# KiCad board v10.kicad_pcb (continued)
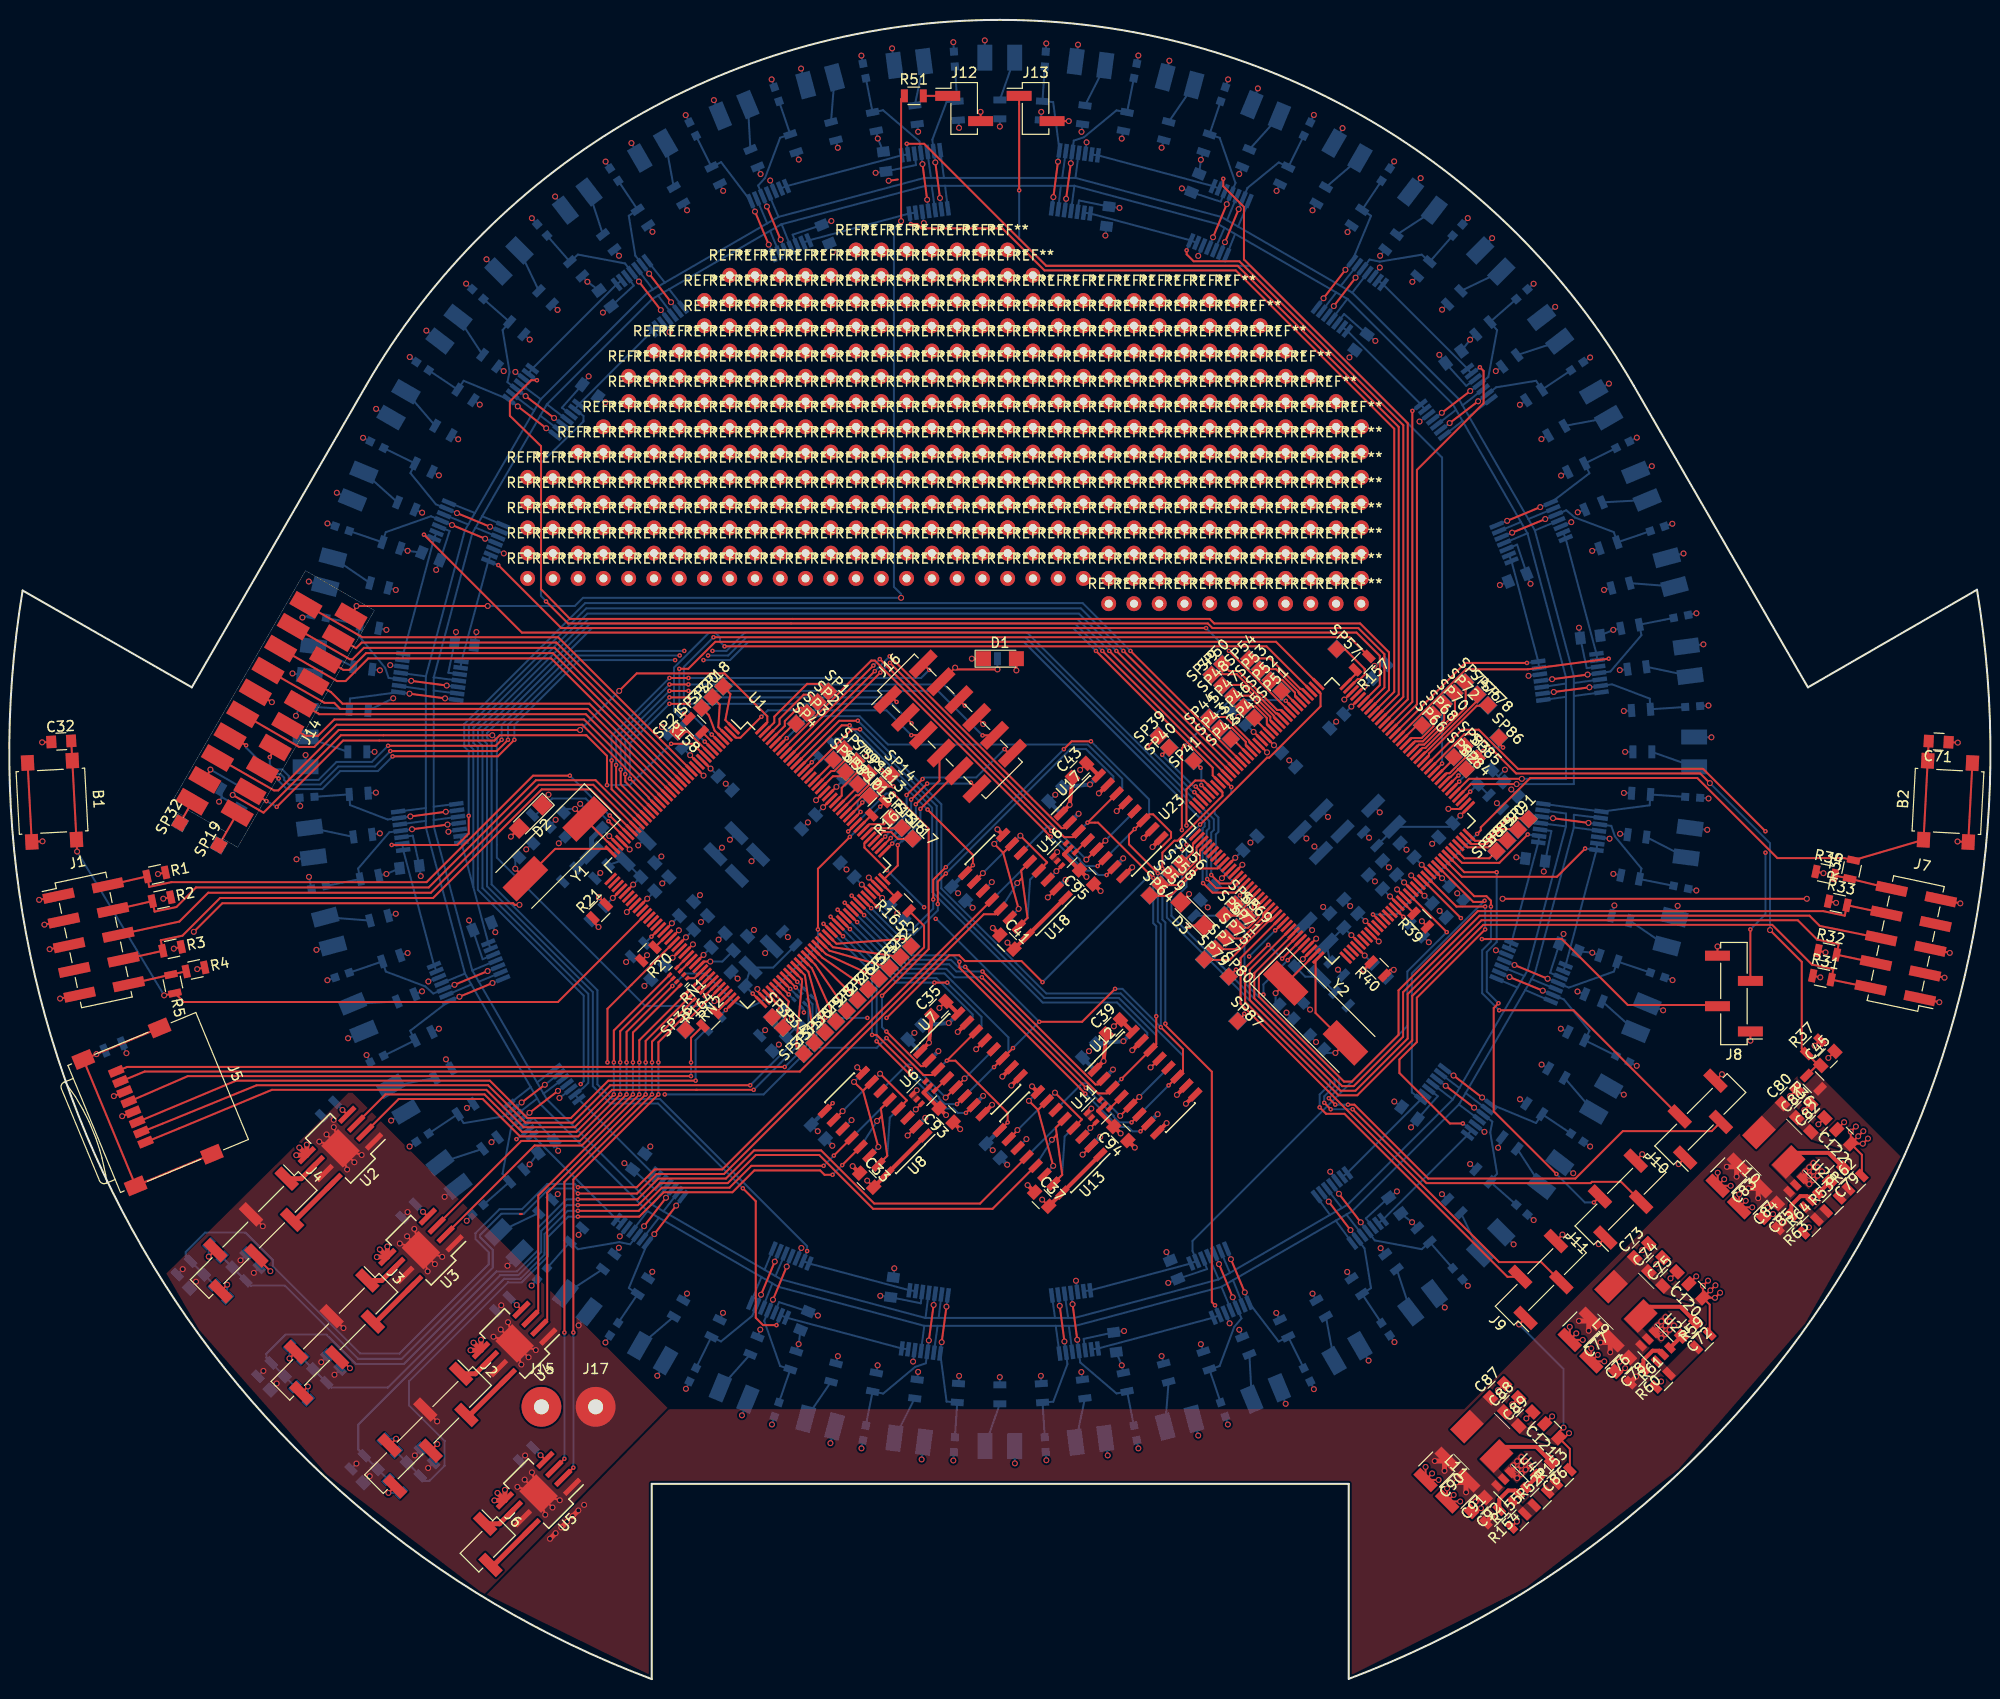
[diagram p0: board, top side]
## Nets (continued)
/Sensor Controller/Linesensor 10/Photo3: Q39.2 R115.1 U43.5 U43.10
/Sensor Controller/Linesensor 10/Photo4: Q40.2 R116.1 U43.7 U43.8
/Sensor Controller/Linesensor 11/Photo1: Q41.2 R119.1 U44.6 U44.9
/Sensor Controller/Linesensor 11/Photo2: Q42.2 R120.1 U44.4 U44.11
/Sensor Controller/Linesensor 11/Photo3: Q43.2 R121.1 U45.5 U45.10
/Sensor Controller/Linesensor 11/Photo4: Q44.2 R122.1 U45.7 U45.8
/Sensor Controller/Linesensor 12/Photo1: Q45.2 R125.1 U46.6 U46.9
/Sensor Controller/Linesensor 12/Photo2: Q46.2 R126.1 U46.4 U46.11
/Sensor Controller/Linesensor 12/Photo3: Q47.2 R127.1 U47.5 U47.10
/Sensor Controller/Linesensor 12/Photo4: Q48.2 R128.1 U47.7 U47.8
/Sensor Controller/RESET: B2.1 C71.2 R35.2 U23.47
/Sensor Controller/Trig1: J8.2 U23.59
/Sensor Controller/Trig2: J10.2 U23.64
/Sensor Controller/Trig3: J11.2 U23.66
/Sensor Controller/Trig4: J9.2 U23.116
/Sensor Controller/VREF_black: U21.5 U21.7 U22.9 U22.11 U23.76 U24.5 U24.7 U25.9 U25.11 U26.5 U26.7 U29.9 U29.11 U30.5 U30.7 U31.9 U31.11 U32.5 U32.7 U33.9 U33.11 U34.5 U34.7 U35.9 U35.11 U36.5 U36.7 U37.9 U37.11 U38.5 U38.7 U39.9 U39.11 U40.5 U40.7 U41.9 U41.11 U42.5 U42.7 U43.9 U43.11 U44.5 U44.7 U45.9 U45.11 U46.5 U46.7 U47.9 U47.11
/Sensor Controller/VREF_white: U21.8 U21.10 U22.4 U22.6 U23.77 U24.8 U24.10 U25.4 U25.6 U26.8 U26.10 U29.4 U29.6 U30.8 U30.10 U31.4 U31.6 U32.8 U32.10 U33.4 U33.6 U34.8 U34.10 U35.4 U35.6 U36.8 U36.10 U37.4 U37.6 U38.8 U38.10 U39.4 U39.6 U40.8 U40.10 U41.4 U41.6 U42.8 U42.10 U43.4 U43.6 U44.8 U44.10 U45.4 U45.6 U46.8 U46.10 U47.4 U47.6
/SPI0_CLK: J16.11 RN4.6
/SPI0_MISO: J16.9 RN4.8
/SPI0_MOSI: J16.7 RN4.7
/SPI0_SS0: J16.12 RN4.5
/SPI1_CLK: RN3.8 U23.110
/SPI1_MISO: R157.2 U23.108
/SPI1_MOSI: R158.2 U23.109
/SPI1_SS0: R159.2 U23.111
Net-(C5-Pad1): C5.1 C6.1 L1.1 U1.34
Net-(C9-Pad2): C9.2 U1.35 Y1.1
Net-(C11-Pad1): C11.1 L2.1 U1.75
Net-(C12-Pad2): C12.2 U1.36 Y1.2
Net-(C13-Pad1): C13.1 R21.1 U1.40
Net-(C45-Pad1): C45.1 R36.2 R37.1 U23.84
Net-(C46-Pad1): C46.1 C47.1 L5.1 U23.34
Net-(C49-Pad1): C49.1 L6.2 U23.75
Net-(C50-Pad2): C50.2 U23.35 Y2.1
Net-(C51-Pad2): C51.2 U23.36 Y2.2
Net-(C52-Pad1): C52.1 R40.1 U23.40
Net-(C72-Pad1): C72.1 L9.1 U27.2
Net-(C72-Pad2): C72.2 U27.6
Net-(C79-Pad1): C79.1 L10.1 U28.2
Net-(C79-Pad2): C79.2 U28.6
Net-(C86-Pad1): C86.1 L11.1 U48.2
Net-(C86-Pad2): C86.2 U48.6
Net-(D1-Pad2): D1.2 R29.1
Net-(D2-Pad2): D2.2 R30.1
Net-(D3-Pad2): D3.2 R42.1
Net-(D4-Pad2): D4.2 R43.2
Net-(D5-Pad2): D5.2 R129.2
Net-(D6-Pad2): D6.2 R44.2
Net-(D7-Pad2): D7.2 R130.2
Net-(D8-Pad2): D8.2 R49.2
Net-(D9-Pad2): D9.2 R131.2
Net-(D18-Pad2): D18.2 R50.2
Net-(D19-Pad2): D19.2 R132.2
Net-(D20-Pad2): D20.2 R69.2
Net-(D21-Pad2): D21.2 R133.2
Net-(D22-Pad2): D22.2 R70.2
Net-(D23-Pad2): D23.2 R134.2
Net-(D24-Pad2): D24.2 R75.2
Net-(D25-Pad2): D25.2 R135.2
Net-(D26-Pad2): D26.2 R76.2
Net-(D27-Pad2): D27.2 R136.2
Net-(D28-Pad2): D28.2 R81.2
Net-(D29-Pad2): D29.2 R137.2
Net-(D30-Pad2): D30.2 R82.2
Net-(D31-Pad2): D31.2 R138.2
Net-(D32-Pad2): D32.2 R87.2
Net-(D33-Pad2): D33.2 R139.2
Net-(D34-Pad2): D34.2 R88.2
Net-(D35-Pad2): D35.2 R140.2
Net-(D36-Pad2): D36.2 R93.2
Net-(D37-Pad2): D37.2 R141.2
Net-(D38-Pad2): D38.2 R94.2
Net-(D39-Pad2): D39.2 R142.2
Net-(D40-Pad2): D40.2 R99.2
Net-(D41-Pad2): D41.2 R143.2
Net-(D42-Pad2): D42.2 R100.2
Net-(D43-Pad2): D43.2 R144.2
Net-(D44-Pad2): D44.2 R105.2
Net-(D45-Pad2): D45.2 R145.2
Net-(D46-Pad2): D46.2 R106.2
Net-(D47-Pad2): D47.2 R146.2
Net-(D48-Pad2): D48.2 R111.2
Net-(D49-Pad2): D49.2 R147.2
Net-(D50-Pad2): D50.2 R112.2
Net-(D51-Pad2): D51.2 R148.2
Net-(D52-Pad2): D52.2 R117.2
Net-(D53-Pad2): D53.2 R149.2
Net-(D54-Pad2): D54.2 R118.2
Net-(D55-Pad2): D55.2 R150.2
Net-(D56-Pad2): D56.2 R123.2
Net-(D57-Pad2): D57.2 R151.2
Net-(D58-Pad2): D58.2 R124.2
Net-(D59-Pad2): D59.2 R152.2
Net-(J1-Pad7): J1.7
Net-(J1-Pad10): J1.10 R4.2 R5.1
Net-(J2-Pad1): J2.1 U4.6
Net-(J2-Pad2): J2.2 U4.8
Net-(J2-Pad5): J2.5 R7.1
Net-(J2-Pad6): J2.6 R9.1
Net-(J3-Pad1): J3.1 U3.6
Net-(J3-Pad2): J3.2 U3.8
Net-(J3-Pad5): J3.5 R11.1
Net-(J3-Pad6): J3.6 R13.1
Net-(J4-Pad1): J4.1 U2.6
Net-(J4-Pad2): J4.2 U2.8
Net-(J4-Pad5): J4.5 R15.1
Net-(J4-Pad6): J4.6 R17.1
Net-(J5-Pad1): J5.1 RN3.6
Net-(J5-Pad2): J5.2 RN3.7
Net-(J5-Pad3): J5.3 R163.1
Net-(J5-Pad5): J5.5 R164.1
Net-(J5-Pad7): J5.7 R165.1
Net-(J5-Pad8): J5.8 RN3.5
Net-(J5-Pad9): J5.9 R19.1
Net-(J6-Pad1): J6.1 U5.6
Net-(J6-Pad2): J6.2 U5.8
Net-(J7-Pad7): J7.7
Net-(J7-Pad10): J7.10 R34.2 R35.1
Net-(J12-Pad1): J12.1 R51.2
Net-(J14-Pad19): J14.19 SP19.1
Net-(J14-Pad20): J14.20 SP32.1
Net-(R18-Pad1): R18.1 U1.51
Net-(R20-Pad1): R20.1 U1.53
Net-(R22-Pad1): R22.1 U2.4
Net-(R23-Pad1): R23.1 U3.4
Net-(R24-Pad1): R24.1 U4.4
Net-(R28-Pad1): R28.1 U5.4
Net-(R38-Pad1): R38.1 U23.51
Net-(R39-Pad1): R39.1 U23.53
Net-(R53-Pad1): R53.1 R64.2 U28.4
Net-(R53-Pad2): R53.2 R62.1
Net-(R54-Pad1): R54.1 U1.132
Net-(R59-Pad1): R59.1 R61.2 U27.4
Net-(R60-Pad1): R60.1 U27.5
Net-(R63-Pad1): R63.1 U28.5
Net-(R153-Pad1): R52.2 R153.1
Net-(R154-Pad1): R154.1 U48.5
Net-(R155-Pad2): R52.1 R155.2 U48.4
Net-(R157-Pad1): R157.1 U1.5
Net-(R158-Pad1): R158.1 U1.6
Net-(R159-Pad1): R159.1 U1.7
Net-(R163-Pad2): R163.2 U1.72
Net-(R164-Pad2): R164.2 U1.71
Net-(R165-Pad2): R165.2 U1.107
Net-(R167-Pad1): R167.1 U3.3
Net-(RN1-Pad2): RN1.2
Net-(RN1-Pad5): RN1.5 U2.3
Net-(RN1-Pad6): RN1.6 U2.2
Net-(RN1-Pad7): RN1.7
Net-(RN1-Pad8): RN1.8 U3.2
Net-(RN2-Pad5): RN2.5 U4.3
Net-(RN2-Pad6): RN2.6 U4.2
Net-(RN2-Pad7): RN2.7 U5.3
Net-(RN2-Pad8): RN2.8 U5.2
Net-(RN3-Pad1): RN3.1 U1.78
Net-(RN3-Pad2): RN3.2 U1.79
Net-(RN3-Pad3): RN3.3 U1.80
Net-(RN3-Pad4): RN3.4 U1.81
Net-(RN4-Pad1): RN4.1 U1.108
Net-(RN4-Pad2): RN4.2 U1.109
Net-(RN4-Pad3): RN4.3 U1.110
Net-(RN4-Pad4): RN4.4 U1.111
Net-(SP1-Pad1): SP1.1 U1.143
Net-(SP2-Pad1): SP2.1 U1.142
Net-(SP3-Pad1): SP3.1 U1.141
Net-(SP4-Pad1): SP4.1 U1.140
Net-(SP6-Pad1): SP6.1 U1.129
Net-(SP7-Pad1): SP7.1 U1.128
Net-(SP8-Pad1): SP8.1 U1.127
Net-(SP9-Pad1): SP9.1 U1.123
Net-(SP10-Pad1): SP10.1 U1.122
Net-(SP11-Pad1): SP11.1 U1.121
Net-(SP12-Pad1): SP12.1 U1.120
Net-(SP13-Pad1): SP13.1 U1.119
Net-(SP14-Pad1): SP14.1 U1.118
Net-(SP15-Pad1): SP15.1 U1.115
Net-(SP16-Pad1): SP16.1 U1.114
Net-(SP17-Pad1): SP17.1 U1.112
Net-(SP18-Pad1): SP18.1 U1.1
Net-(SP20-Pad1): SP20.1 U1.3
Net-(SP21-Pad1): SP21.1 U1.8
Net-(SP22-Pad1): SP22.1 U1.92
Net-(SP23-Pad1): SP23.1 U1.91
Net-(SP24-Pad1): SP24.1 U1.90
Net-(SP25-Pad1): SP25.1 U1.89
Net-(SP26-Pad1): SP26.1 U1.88
Net-(SP27-Pad1): SP27.1 U1.87
Net-(SP28-Pad1): SP28.1 U1.86
Net-(SP29-Pad1): SP29.1 U1.85
Net-(SP30-Pad1): SP30.1 U1.84
Net-(SP31-Pad1): SP31.1 U1.83
Net-(SP33-Pad1): SP33.1 U1.82
Net-(SP34-Pad1): SP34.1 U1.77
Net-(SP35-Pad1): SP35.1 U1.76
Net-(SP36-Pad1): SP36.1 U1.68
Net-(SP37-Pad1): SP37.1 U1.4
Net-(SP39-Pad1): SP39.1 U23.142
Net-(SP40-Pad1): SP40.1 U23.141
Net-(SP41-Pad1): SP41.1 U23.140
Net-(SP42-Pad1): SP42.1 U23.129
Net-(SP43-Pad1): SP43.1 U23.128
Net-(SP44-Pad1): SP44.1 U23.127
Net-(SP45-Pad1): SP45.1 U23.123
Net-(SP46-Pad1): SP46.1 U23.122
Net-(SP47-Pad1): SP47.1 U23.121
Net-(SP48-Pad1): SP48.1 U23.120
Net-(SP49-Pad1): SP49.1 U23.119
Net-(SP50-Pad1): SP50.1 U23.118
Net-(SP51-Pad1): SP51.1 U23.115
Net-(SP52-Pad1): SP52.1 U23.114
Net-(SP53-Pad1): SP53.1 U23.113
Net-(SP54-Pad1): SP54.1 U23.112
Net-(SP56-Pad1): SP56.1 U23.2
Net-(SP57-Pad1): SP57.1 U23.107
Net-(SP58-Pad1): SP58.1 U23.3
Net-(SP59-Pad1): SP59.1 U23.4
Net-(SP64-Pad1): SP64.1 U23.9
Net-(SP65-Pad1): SP65.1 U23.17
Net-(SP66-Pad1): SP66.1 U23.92
Net-(SP67-Pad1): SP67.1 U23.18
Net-(SP68-Pad1): SP68.1 U23.91
Net-(SP69-Pad1): SP69.1 U23.19
Net-(SP70-Pad1): SP70.1 U23.90
Net-(SP71-Pad1): SP71.1 U23.20
Net-(SP72-Pad1): SP72.1 U23.89
Net-(SP74-Pad1): SP74.1 U23.88
Net-(SP75-Pad1): SP75.1 U23.22
Net-(SP76-Pad1): SP76.1 U23.87
Net-(SP77-Pad1): SP77.1 U23.23
Net-(SP78-Pad1): SP78.1 U23.86
Net-(SP79-Pad1): SP79.1 U23.24
Net-(SP80-Pad1): SP80.1 U23.26
Net-(SP82-Pad1): SP82.1 U23.82
Net-(SP83-Pad1): SP83.1 U23.81
Net-(SP84-Pad1): SP84.1 U23.80
Net-(SP85-Pad1): SP85.1 U23.79
Net-(SP86-Pad1): SP86.1 U23.78
Net-(SP87-Pad1): SP87.1 U23.32
Net-(SP88-Pad1): SP88.1 U23.68
Net-(SP89-Pad1): SP89.1 U23.70
Net-(SP90-Pad1): SP90.1 U23.71
Net-(SP91-Pad1): SP91.1 U23.72
Net-(U1-Pad37): U1.37
Net-(U1-Pad38): U1.38
Net-(U1-Pad39): U1.39
Net-(U1-Pad42): U1.42
Net-(U1-Pad43): U1.43
Net-(U1-Pad46): U1.46
Net-(U1-Pad48): U1.48
Net-(U1-Pad49): U1.49
Net-(U1-Pad50): U1.50
Net-(U1-Pad69): U1.69
Net-(U1-Pad130): U1.130
Net-(U6-Pad3): U6.3 U9.6
Net-(U6-Pad4): U6.4 U7.4
Net-(U6-Pad6): U6.6
Net-(U7-Pad12): U7.12
Net-(U8-Pad3): U8.3
Net-(U8-Pad6): U8.6
Net-(U8-Pad11): U8.11
Net-(U8-Pad14): U8.14
Net-(U10-Pad4): U7.13 U10.4
Net-(U10-Pad12): U10.12
Net-(U10-Pad13): U10.13
Net-(U11-Pad3): U11.3 U14.6
Net-(U11-Pad4): U11.4 U12.4
Net-(U11-Pad6): U11.6
Net-(U12-Pad12): U12.12
Net-(U12-Pad13): U12.13 U15.4
Net-(U13-Pad3): U13.3
Net-(U13-Pad6): U13.6
Net-(U13-Pad11): U13.11
Net-(U13-Pad14): U13.14
Net-(U15-Pad12): U15.12
Net-(U15-Pad13): U15.13
Net-(U16-Pad3): U16.3 U19.6
Net-(U16-Pad4): U16.4 U17.4
Net-(U16-Pad6): U16.6
Net-(U17-Pad12): U17.12
Net-(U17-Pad13): U17.13 U20.4
Net-(U18-Pad3): U18.3
Net-(U18-Pad6): U18.6
Net-(U18-Pad11): U18.11
Net-(U18-Pad14): U18.14
Net-(U20-Pad12): U20.12
Net-(U20-Pad13): U20.13
Net-(U23-Pad1): U23.1
Net-(U23-Pad5): U23.5
Net-(U23-Pad6): U23.6
Net-(U23-Pad7): U23.7
Net-(U23-Pad8): U23.8
Net-(U23-Pad21): U23.21
Net-(U23-Pad27): U23.27
Net-(U23-Pad37): U23.37
Net-(U23-Pad38): U23.38
Net-(U23-Pad39): U23.39
Net-(U23-Pad42): U23.42
Net-(U23-Pad43): U23.43
Net-(U23-Pad46): U23.46
Net-(U23-Pad48): U23.48
Net-(U23-Pad49): U23.49
Net-(U23-Pad50): U23.50
Net-(U23-Pad69): U23.69
Net-(U23-Pad130): U23.130
Net-(U23-Pad143): U23.143
Net-(U23-Pad144): U23.144

Pads without a net: REF** 1; REF**#2 1; REF**#3 1; REF**#4 1; REF**#5 1; REF**#6 1; REF**#7 1; REF**#8 1; REF**#9 1; REF**#10 1; REF**#11 1; REF**#12 1; REF**#13 1; REF**#14 1; REF**#15 1; REF**#16 1; REF**#17 1; REF**#18 1; REF**#19 1; REF**#20 1; REF**#21 1; REF**#22 1; REF**#23 1; REF**#24 1; REF**#25 1; REF**#26 1; REF**#27 1; REF**#28 1; REF**#29 1; REF**#30 1; REF**#31 1; REF**#32 1; REF**#33 1; REF**#34 1; REF**#35 1; REF**#36 1; REF**#37 1; REF**#38 1; REF**#39 1; REF**#40 1; REF**#41 1; REF**#42 1; REF**#43 1; REF**#44 1; REF**#45 1; REF**#46 1; REF**#47 1; REF**#48 1; REF**#49 1; REF**#50 1; REF**#51 1; REF**#52 1; REF**#53 1; REF**#54 1; REF**#55 1; REF**#56 1; REF**#57 1; REF**#58 1; REF**#59 1; REF**#60 1; REF**#61 1; REF**#62 1; REF**#63 1; REF**#64 1; REF**#65 1; REF**#66 1; REF**#67 1; REF**#68 1; REF**#69 1; REF**#70 1; REF**#71 1; REF**#72 1; REF**#73 1; REF**#74 1; REF**#75 1; REF**#76 1; REF**#77 1; REF**#78 1; REF**#79 1; REF**#80 1; REF**#81 1; REF**#82 1; REF**#83 1; REF**#84 1; REF**#85 1; REF**#86 1; REF**#87 1; REF**#88 1; REF**#89 1; REF**#90 1; REF**#91 1; REF**#92 1; REF**#93 1; REF**#94 1; REF**#95 1; REF**#96 1; REF**#97 1; REF**#98 1; REF**#99 1; REF**#100 1; REF**#101 1; REF**#102 1; REF**#103 1; REF**#104 1; REF**#105 1; REF**#106 1; REF**#107 1; REF**#108 1; REF**#109 1; REF**#110 1; REF**#111 1; REF**#112 1; REF**#113 1; REF**#114 1; REF**#115 1; REF**#116 1; REF**#117 1; REF**#118 1; REF**#119 1; REF**#120 1; REF**#121 1; REF**#122 1; REF**#123 1; REF**#124 1; REF**#125 1; REF**#126 1; REF**#127 1; REF**#128 1; REF**#129 1; REF**#130 1; REF**#131 1; REF**#132 1; REF**#133 1; REF**#134 1; REF**#135 1; REF**#136 1; REF**#137 1; REF**#138 1; REF**#139 1; REF**#140 1; REF**#141 1; REF**#142 1; REF**#143 1; REF**#144 1; REF**#145 1; REF**#146 1; REF**#147 1; REF**#148 1; REF**#149 1; REF**#150 1; REF**#151 1; REF**#152 1; REF**#153 1; REF**#154 1; REF**#155 1; REF**#156 1; REF**#157 1; REF**#158 1; REF**#159 1; REF**#160 1; REF**#161 1; REF**#162 1; REF**#163 1; REF**#164 1; REF**#165 1; REF**#166 1; REF**#167 1; REF**#168 1; REF**#169 1; REF**#170 1; REF**#171 1; REF**#172 1; REF**#173 1; REF**#174 1; REF**#175 1; REF**#176 1; REF**#177 1; REF**#178 1; REF**#179 1; REF**#180 1; REF**#181 1; REF**#182 1; REF**#183 1; REF**#184 1; REF**#185 1; REF**#186 1; REF**#187 1; REF**#188 1; REF**#189 1; REF**#190 1; REF**#191 1; REF**#192 1; REF**#193 1; REF**#194 1; REF**#195 1; REF**#196 1; REF**#197 1; REF**#198 1; REF**#199 1; REF**#200 1; REF**#201 1; REF**#202 1; REF**#203 1; REF**#204 1; REF**#205 1; REF**#206 1; REF**#207 1; REF**#208 1; REF**#209 1; REF**#210 1; REF**#211 1; REF**#212 1; REF**#213 1; REF**#214 1; REF**#215 1; REF**#216 1; REF**#217 1; REF**#218 1; REF**#219 1; REF**#220 1; REF**#221 1; REF**#222 1; REF**#223 1; REF**#224 1; REF**#225 1; REF**#226 1; REF**#227 1; REF**#228 1; REF**#229 1; REF**#230 1; REF**#231 1; REF**#232 1; REF**#233 1; REF**#234 1; REF**#235 1; REF**#236 1; REF**#237 1; REF**#238 1; REF**#239 1; REF**#240 1; REF**#241 1; REF**#242 1; REF**#243 1; REF**#244 1; REF**#245 1; REF**#246 1; REF**#247 1; REF**#248 1; REF**#249 1; REF**#250 1; REF**#251 1; REF**#252 1; REF**#253 1; REF**#254 1; REF**#255 1; REF**#256 1; REF**#257 1; REF**#258 1; REF**#259 1; REF**#260 1; REF**#261 1; REF**#262 1; REF**#263 1; REF**#264 1; REF**#265 1; REF**#266 1; REF**#267 1; REF**#268 1; REF**#269 1; REF**#270 1; REF**#271 1; REF**#272 1; REF**#273 1; REF**#274 1; REF**#275 1; REF**#276 1; REF**#277 1; REF**#278 1; REF**#279 1; REF**#280 1; REF**#281 1; REF**#282 1; REF**#283 1; REF**#284 1; REF**#285 1; REF**#286 1; REF**#287 1; REF**#288 1; REF**#289 1; REF**#290 1; REF**#291 1; REF**#292 1; REF**#293 1; REF**#294 1; REF**#295 1; REF**#296 1; REF**#297 1; REF**#298 1; REF**#299 1; REF**#300 1; REF**#301 1; REF**#302 1; REF**#303 1; REF**#304 1; REF**#305 1; REF**#306 1; REF**#307 1; REF**#308 1; REF**#309 1; REF**#310 1; REF**#311 1; REF**#312 1; REF**#313 1; REF**#314 1; REF**#315 1; REF**#316 1; REF**#317 1; REF**#318 1; REF**#319 1; REF**#320 1; REF**#321 1; REF**#322 1; REF**#323 1; REF**#324 1; REF**#325 1; REF**#326 1; REF**#327 1; REF**#328 1; REF**#329 1; REF**#330 1; REF**#331 1; REF**#332 1; REF**#333 1; REF**#334 1; REF**#335 1; REF**#336 1; REF**#337 1; REF**#338 1; REF**#339 1; REF**#340 1; REF**#341 1; REF**#342 1; REF**#343 1; REF**#344 1; REF**#345 1; REF**#346 1; REF**#347 1; REF**#348 1; REF**#349 1; REF**#350 1; REF**#351 1; REF**#352 1; REF**#353 1; REF**#354 1; REF**#355 1; REF**#356 1; REF**#357 1; REF**#358 1; REF**#359 1; REF**#360 1; REF**#361 1; REF**#362 1; REF**#363 1; REF**#364 1; REF**#365 1; REF**#366 1; REF**#367 1; REF**#368 1; REF**#369 1; REF**#370 1; REF**#371 1; REF**#372 1; REF**#373 1; REF**#374 1; REF**#375 1; REF**#376 1; REF**#377 1; REF**#378 1; REF**#379 1; REF**#380 1; REF**#381 1; REF**#382 1; REF**#383 1; REF**#384 1; REF**#385 1; REF**#386 1; REF**#387 1; REF**#388 1; REF**#389 1; REF**#390 1; REF**#391 1; REF**#392 1; REF**#393 1; REF**#394 1; REF**#395 1

## Via types
v1: diameter 0.6, hole 0.4, Top to Bottom, 791 vias
v2: diameter 0.45, hole 0.2, Top to Bottom, 285 vias

## Routing (per net, layer and track width the routed paths; a pad name or vN(x,y) marks a point on that pad's centre or on a via; arc(x,y) is an arc through that point)
+3V3: length 194.8
  Top w0.2: v1(70.47,72.15) 69.83,72.15 U1.62 ; C32.1 v1(3.29,94.19) ; C71.1 v1(195.89,94.16) ; R59.2 170.95,37.65 C120.1 ; J1.1 v1(2.99,78.35) ; R1.1 v1(14.94,80.95) ; R2.1 v1(15.47,78.47) ; R3.1 v1(16.53,73.45) ; R4.1 v1(18.88,71.39) ; J5.4 v1(11.34,56.6) ; J7.1 v1(194.03,68.06) ; R34.1 v1(182.38,81.03) ; R33.1 v1(183.65,78.05) ; R32.1 v1(182.59,73.07) ; R31.1 v1(182.06,70.56) ; v1(93.5,67.48) 94.16,68.13 C35.2 94.16,68.14 ; v1(111.04,65.64) 111.7,66.3 C39.2 ; v1(107.65,91.42) 108.3,92.07 C43.2 ; v1(100.34,74.05) 100.99,73.4 C41.2 ; v1(86.24,50.12) 86.9,49.46 C33.2 ; v1(103.83,48.21) 104.49,47.55 C37.2 ; v1(64.11,72.79) 63.56,72.24 R20.2 ; v1(142.01,76.2) 142.56,75.65 R39.2 ; v1(180.71,78.46) v1(150.12,78.46) ; v1(51.28,77.85) 50.81,77.85 50.65,78.01 21.41,78.01 v1(18.54,75.14) ; C120.1 v1(171.48,38.34) v1(171.99,38.85) ; C120.1 170.26,39.54 v1(170.26,39.55) v1(170.77,40.06) ; C120.1 170.26,38.34 v1(171.01,39.08) v1(171.52,39.59) ; v1(144.04,80.53) U23.62 ; v1(121.91,80.53) U23.11 ; v1(125.09,95.24) U23.125 ; v1(68.44,92.89) U1.11 ; v1(83.15,89.71) U1.125 ; v1(142.27,78.76) U23.57 ; v1(66.6,75.99) U1.52 ; v1(87.75,78.54) U1.105 ; v1(66.68,72.53) U1.57 ; v1(138.81,78.69) U23.52 ; v1(136.26,99.83) U23.105
  Top w0.4: 86.91,49.47 86.91,49.46 ; C33.2 86.9,49.46 U8.16 U8.1 ; U6.5 91.91,58.97 C93.2 v1(94.17,56.71) ; U11.5 109.46,57.13 C94.2 v1(111.72,54.86) ; C39.2 U12.16 ; C41.2 101.01,73.4 U18.16 U18.1 ; U17.16 109.53,90.85 C43.2 ; v1(108.29,80.66) C95.2 106.03,82.92 U16.5 ; C37.2 105.86,48.91 U13.16 U13.1 ; R59.2 170.93,34.71 ; U7.16 C35.2
  In1.Cu w0.2: v1(18.54,75.14) 16.85,73.45 v1(16.53,73.45) ; v1(180.71,78.46) 182.38,80.13 v1(182.38,81.03)
  Bottom w0.2: v1(70.47,72.15) 71.68,72.15 C18.1 ; v1(77.36,63.8) 76.71,63.15 C10.1 ; L2.2 v1(75.98,65.25) ; v1(149.55,88.07) L6.1 150.1,87.52 ; v1(151,89.45) C48.1 151.37,88.8 ; v1(90.99,64.98) 90.34,64.32 C36.2 ; v1(108.54,63.14) 107.89,62.48 C40.2 ; C44.2 v1(105.15,88.92) ; v1(95.38,79.02) 94.72,79.68 C42.2 ; v1(81.27,55.09) 80.62,55.74 C34.2 ; v1(98.86,53.18) 98.2,53.84 C38.2 ; L4.1 v1(59.41,81.06) ; L8.1 v1(133.57,71.33) ; v1(125.09,95.24) C59.1 124.33,96 ; 143.04,77.99 C56.1 v1(142.27,78.76) ; 138.04,79.46 C54.1 v1(138.81,78.69) ; C57.1 v1(144.04,80.53) ; C53.1 v1(131.2,83.72) ; 137.02,100.6 C58.1 v1(136.26,99.83) ; C15.1 v1(66.6,75.99) ; C20.1 v1(83.15,89.71) ; 121.14,79.77 C55.1 v1(121.91,80.53) ; C14.1 v1(71.64,83.6) ; C16.1 v1(68.44,92.89) ; L7.1 v1(136.7,84.6) ; C17.1 v1(66.68,72.53) ; L3.1 v1(78.27,74.61) ; C19.1 v1(87.75,78.54)
  Bottom w0.4: C40.2 U15.16 ; U20.16 105.71,87.04 C44.2 ; U19.14 C42.2 ; U9.14 C34.2 ; U10.16 C36.2 ; C38.2 U14.14
+5V: length 215.6
  Top w0.2: R62.2 186.24,52.72 C122.1 ; v1(186.39,55.09) v1(185.87,54.58) 185.13,53.83 C122.1 ; v1(186.86,54.35) v1(186.34,53.83) C122.1 ; v1(185.64,55.56) v1(185.13,55.05) 185.13,55.05 C122.1
  Top w0.4: R62.2 186.23,50.65
  Bottom w0.2: R43.1 v1(99.58,156.1) ; R129.1 v1(91.36,155.58) ; R44.1 v1(83.29,153.97) ; R130.1 v1(75.52,151.32) ; R49.1 v1(68.13,147.68) ; R131.1 v1(61.29,143.11) ; R50.1 v1(55.11,137.67) ; R132.1 v1(49.7,131.51) ; R69.1 v1(45.12,124.66) ; R133.1 v1(41.5,117.28) ; R70.1 v1(38.85,109.51) ; R134.1 v1(37.25,101.43) ; R75.1 v1(36.71,93.23) ; R135.1 v1(37.25,85.03) ; R76.1 v1(38.85,76.95) ; R136.1 v1(41.49,69.15) ; R138.1 v1(61.28,43.37) ; R87.1 v1(68.13,38.77) ; R139.1 v1(75.49,35.14) ; R88.1 v1(83.3,32.47) ; R140.1 v1(91.36,30.89) ; R93.1 v1(99.57,30.36) ; R141.1 v1(107.77,30.87) ; R94.1 v1(115.84,32.48) ; R142.1 v1(123.65,35.13) ; R99.1 v1(131.01,38.76) ; R143.1 v1(137.86,43.33) ; R100.1 v1(144.03,48.76) ; R105.1 v1(154.04,61.79) ; R145.1 v1(157.65,69.13) ; R146.1 v1(161.94,84.99) ; R111.1 v1(162.44,93.23) ; R147.1 v1(161.91,101.45) ; R112.1 v1(160.32,109.51) ; R148.1 v1(157.68,117.32) ; R117.1 v1(154.03,124.68) ; R149.1 v1(149.44,131.51) ; R118.1 v1(144.04,137.69) ; R150.1 v1(137.81,143.11) ; R123.1 v1(131.01,147.68) ; R151.1 v1(123.65,151.33) ; R124.1 v1(115.84,153.98) ; R152.1 v1(107.79,155.57) ; Q1.1 v1(94.9,164.58) ; Q2.1 v1(85.66,163.23) ; Q3.1 v1(76.64,160.84) ; Q4.1 v1(68,157.25) ; Q5.1 v1(59.94,152.58) ; Q6.1 v1(52.53,146.89) ; Q7.1 v1(45.92,140.3) ; Q8.1 v1(40.25,132.93) ; Q9.1 v1(35.56,124.81) ; Q10.1 v1(31.98,116.2) ; Q15.1 v1(31.97,70.27) ; Q17.1 v1(40.24,53.55) ; Q20.1 v1(59.93,33.85) ; Q21.1 v1(68.02,29.19) ; Q22.1 v1(76.67,25.6) ; Q23.1 v1(85.67,23.2) ; Q24.1 v1(94.9,21.98) ; Q25.1 v1(104.25,22) ; Q26.1 v1(113.5,23.2) ; Q27.1 v1(122.5,25.6) ; Q28.1 v1(131.15,29.15) ; Q29.1 v1(139.25,33.88) ; Q30.1 v1(146.63,39.55) ; Q31.1 v1(153.25,46.15) ; Q32.1 v1(158.93,53.55) ; Q33.1 v1(163.61,61.67) ; Q34.1 v1(167.21,70.28) ; Q35.1 v1(169.6,79.29) ; Q36.1 v1(170.83,88.54) ; Q37.1 v1(170.82,97.89) ; Q38.1 v1(169.61,107.17) ; Q39.1 v1(167.19,116.16) ; Q40.1 v1(163.62,124.82) ; Q41.1 v1(158.93,132.88) ; Q42.1 v1(153.24,140.3) ; Q43.1 v1(146.62,146.9) ; Q44.1 v1(139.22,152.6) ; Q45.1 v1(131.15,157.27) ; Q46.1 v1(122.53,160.84) ; Q47.1 v1(113.5,163.24) ; Q48.1 v1(104.25,164.46) ; U24.3 91.15,152.24 C96.2 v1(87.09,151.45) ; U25.3 78.75,145.23 C97.2 v1(82.64,146.6) ; U21.3 62.78,140.12 C98.2 v1(59.67,137.4) ; U22.3 55.55,127.83 C99.2 v1(58.24,130.99) ; U26.3 44.26,115.43 C100.2 v1(42.91,111.52) ; U29.3 44.13,101.18 C101.2 v1(44.9,105.28) ; U30.3 40.56,84.81 C102.2 v1(41.36,80.74) ; U31.3 47.58,72.38 C103.2 v1(46.22,76.29) ; U32.3 52.69,56.43 C104.2 v1(55.17,53.12) ; U33.3 64.98,49.19 C105.2 v1(61.83,51.87) ; U34.3 77.38,37.9 C106.2 v1(81.29,36.55) ; U35.3 91.63,37.79 C107.2 v1(87.56,38.54) ; U36.3 108.01,34.21 C108.2 v1(112.07,35) ; U37.3 120.42,41.22 C109.2 v1(116.51,39.84) ; U38.3 136.38,46.32 C110.2 v1(139.5,49.04) ; U39.3 143.61,58.61 C111.2 v1(140.92,55.48) ; U40.3 154.9,71.01 C112.2 v1(156.25,74.92) ; U41.3 155.03,85.28 C113.2 v1(154.26,81.2) ; U42.3 158.58,101.65 C114.2 v1(157.8,105.71) ; U43.3 151.58,114.07 C115.2 v1(152.93,110.13) ; U44.3 146.47,130.03 C116.2 v1(143.76,133.15) ; U45.3 134.18,137.25 C117.2 v1(137.33,134.55) ; U46.3 121.79,148.54 C118.2 v1(117.88,149.88) ; U47.3 107.54,148.67 C119.2 v1(111.61,147.92) ; Q11.1 v1(29.46,106.74) ; Q12.1 v1(28.81,96.86) ; Q16.1 v1(35.91,62.75) ; R81.1 v1(43.89,62.32) ; R137.1 v1(48.47,53.99) ; Q14.1 v1(30.12,80.66) ; R106.1 v1(161.36,77.79) ; Q13.1 v1(29.24,87.79) ; R144.1 v1(149.67,53.43) ; v1(55.13,48.77) R82.1 54.57,48.22 ; Q19.1 v1(52.5,39.57) ; v1(45.98,46.08) Q18.1 46.54,46.63
+5VD: length 230
  Top w0.2: R153.2 156.89,23.15 C121.1 ; J14.1 v1(34.9,107.9) v1(48.09,107.9) ; v1(26.24,41.02) 24.83,42.43 J4.4 24.83,42.59 ; v1(34.24,31.26) 33.15,32.35 J3.4 ; v1(43.02,23.63) J2.4 ; v1(156.25,25.29) 155.78,24.81 C121.1 ; v1(156.8,24.73) 156.34,24.26 C121.1 ; J16.4 93.66,100.28 v1(95.08,101.7) 95.26,101.52 v1(99.34,101.52) ; R51.1 89.65,158.86 v1(89.65,146.59) ; v1(175.04,64.19) 175.04,64.19 J8.1 ; J10.1 v1(167.82,51.78) ; J11.1 v1(159.79,43.73) ; v1(151.78,35.66) J9.1
  Top w0.4: R153.2 156.87,21.06
  In1.Cu w0.2: v1(26.24,41.02) 25.94,47.08 v1(21.08,88.22) 27.85,97.86 27.97,106.44 30.13,108.25 v1(34.9,107.9) ; v1(95.08,101.7) 95.08,102.47 89.65,107.9 v1(89.65,108.72)
  Bottom w0.2: R26.1 21.36,88.67 ; 21.36,88.67 R25.1 ; 21.36,88.67 v1(21.08,88.22) ; v1(151.78,35.66) 156.25,31.19 v1(156.25,25.29) ; v1(89.65,146.59) 88.93,145.87 88.93,109.82 89.65,109.1 v1(89.65,108.72) 57.67,108.72 56.85,107.9 v1(48.09,107.9) ; R29.2 v1(99.34,101.52)
+12V: length 50.8
  Top w0.4: 164.04,33.52 U27.3
  Top w0.5: 175.82,49.34 v1(175.82,48.35) ; 175.82,49.34 v1(174.83,49.34) ; 175.82,49.34 C84.1 175.82,49.34 ; 173.65,51.51 v1(173.65,50.52) ; 173.65,51.51 v1(172.66,51.51) ; 173.65,51.51 C83.1 173.65,51.51 ; v1(157.8,36.01) 158.78,36.01 C77.1 158.78,36.01 v1(158.78,35.03) ; v1(159.96,33.85) 160.94,33.85 C76.1 160.94,33.85 v1(160.94,32.86) ; v1(146.45,18.78) 146.45,19.76 C91.1 146.45,19.77 v1(145.47,19.77) ; v1(144.28,20.95) 144.28,21.93 C90.1 144.29,21.93 v1(143.3,21.93) ; v1(176.77,47.41) 177.19,47.84 C85.1 ; v1(178.41,45.9) 177.81,45.3 R63.2 ; v1(161.89,31.92) 162.32,32.35 C78.1 ; R60.2 v1(163.54,30.41) ; v1(149.05,16.33) 148.45,15.73 R154.2 ; v1(147.4,17.84) 147.83,18.26 C92.1 ; v1(49.82,19.03) 49.82,19.03 U5.5 ; v1(49.07,18.72) 49.82,17.97 U5.5 ; v1(47.42,34.13) 47.42,34.13 U4.5 ; v1(46.66,33.83) 47.42,33.07 U4.5 ; v1(36.94,42.44) 36.94,42.44 U3.5 ; v1(38,43.5) 38,43.5 U3.5 ; v1(37.24,43.2) 38,42.44 U3.5 ; v1(28.84,52.68) 28.84,52.68 U2.5 ; v1(29.9,53.74) 29.9,53.73 U2.5 ; v1(29.15,53.44) 29.9,52.68 U2.5 ; v1(54.35,14.11) v1(54.92,14.68) ; v1(55.49,15.25) v1(56.06,15.82) ; v1(56.63,16.39) v1(57.2,16.96) ; U4.5 v1(46.36,33.07) ; U5.5 v1(48.76,17.97)
  In1.Cu w0.5: v1(54.92,14.68) v1(55.49,15.25) ; v1(56.06,15.82) v1(56.63,16.39) ; v1(57.2,16.96) 57.76,17.52 v1(57.78,17.52) 57.78,19.21 53.49,23.5 J15.1
/Motor Controller/VDDANA: length 9.7
  Top w0.2: v2(74.74,68.92) U1.73
  Bottom w0.2: L3.2 79.06,73.82 76.78,71.54 C24.1 C23.1 v2(74.74,68.92)
/Motor Controller/VDDOUT: length 13.7
  Top w0.2: v1(69.79,72.81) U1.61 ; v1(81.81,87.66) U1.124 ; v1(85.7,79.88) U1.104 ; v1(70.49,91.55) U1.10 ; v1(64.13,78.47) U1.45 ; v1(68.02,74.58) U1.56
  Bottom w0.2: C29.1 v1(69.79,72.81) ; C27.1 v1(64.13,78.47) ; C30.1 v1(85.7,79.88) ; C26.1 v1(70.49,91.55) ; C31.1 v1(81.81,87.66) ; C28.1 v1(68.02,74.58)
/Motor Controller/VDDUTMI: length 6.4
  Top w0.2: v1(62.72,79.88) U1.41
  Bottom w0.2: L4.2 C22.1 C21.1 v1(62.72,79.88)
/Sensor Controller/VDDANA: length 10.9
  Top w0.2: v1(145.88,86.82) U23.73
  Bottom w0.2: L7.2 139.23,85.55 C63.1 144.74,85.69 C62.1 v1(145.88,86.82)
/Sensor Controller/VDDOUT: length 13.7
  Top w0.2: v1(134.92,97.78) U23.104 ; v1(123.25,82.58) U23.10 ; v1(136.33,76.22) U23.45 ; v1(140.22,80.11) U23.56 ; v1(141.99,81.87) U23.61 ; v1(127.14,93.89) U23.124
  Bottom w0.2: C68.1 v1(141.99,81.87) ; C65.1 v1(123.25,82.58) ; C70.1 v1(127.14,93.89) ; C67.1 v1(140.22,80.11) ; C69.1 v1(134.92,97.78) ; C66.1 v1(136.33,76.22)
/Sensor Controller/VDDUTMI: length 6.5
  Top w0.2: v1(134.92,74.8) U23.41
  Bottom w0.2: L8.2 C61.1 C60.1 v1(134.92,74.8)
